# Altium PCB 4G_V4.1_5X4.PcbDoc (part 3 of 4)
Units mm, origin at the board's own origin, x right, y up, seen from the top; angles counter-clockwise.
Board outline 189.75 x 201.25 mm, 2 copper layers (Top Layer, Bottom Layer); 760 components, 0 nets, 5752 pads, 780 vias.
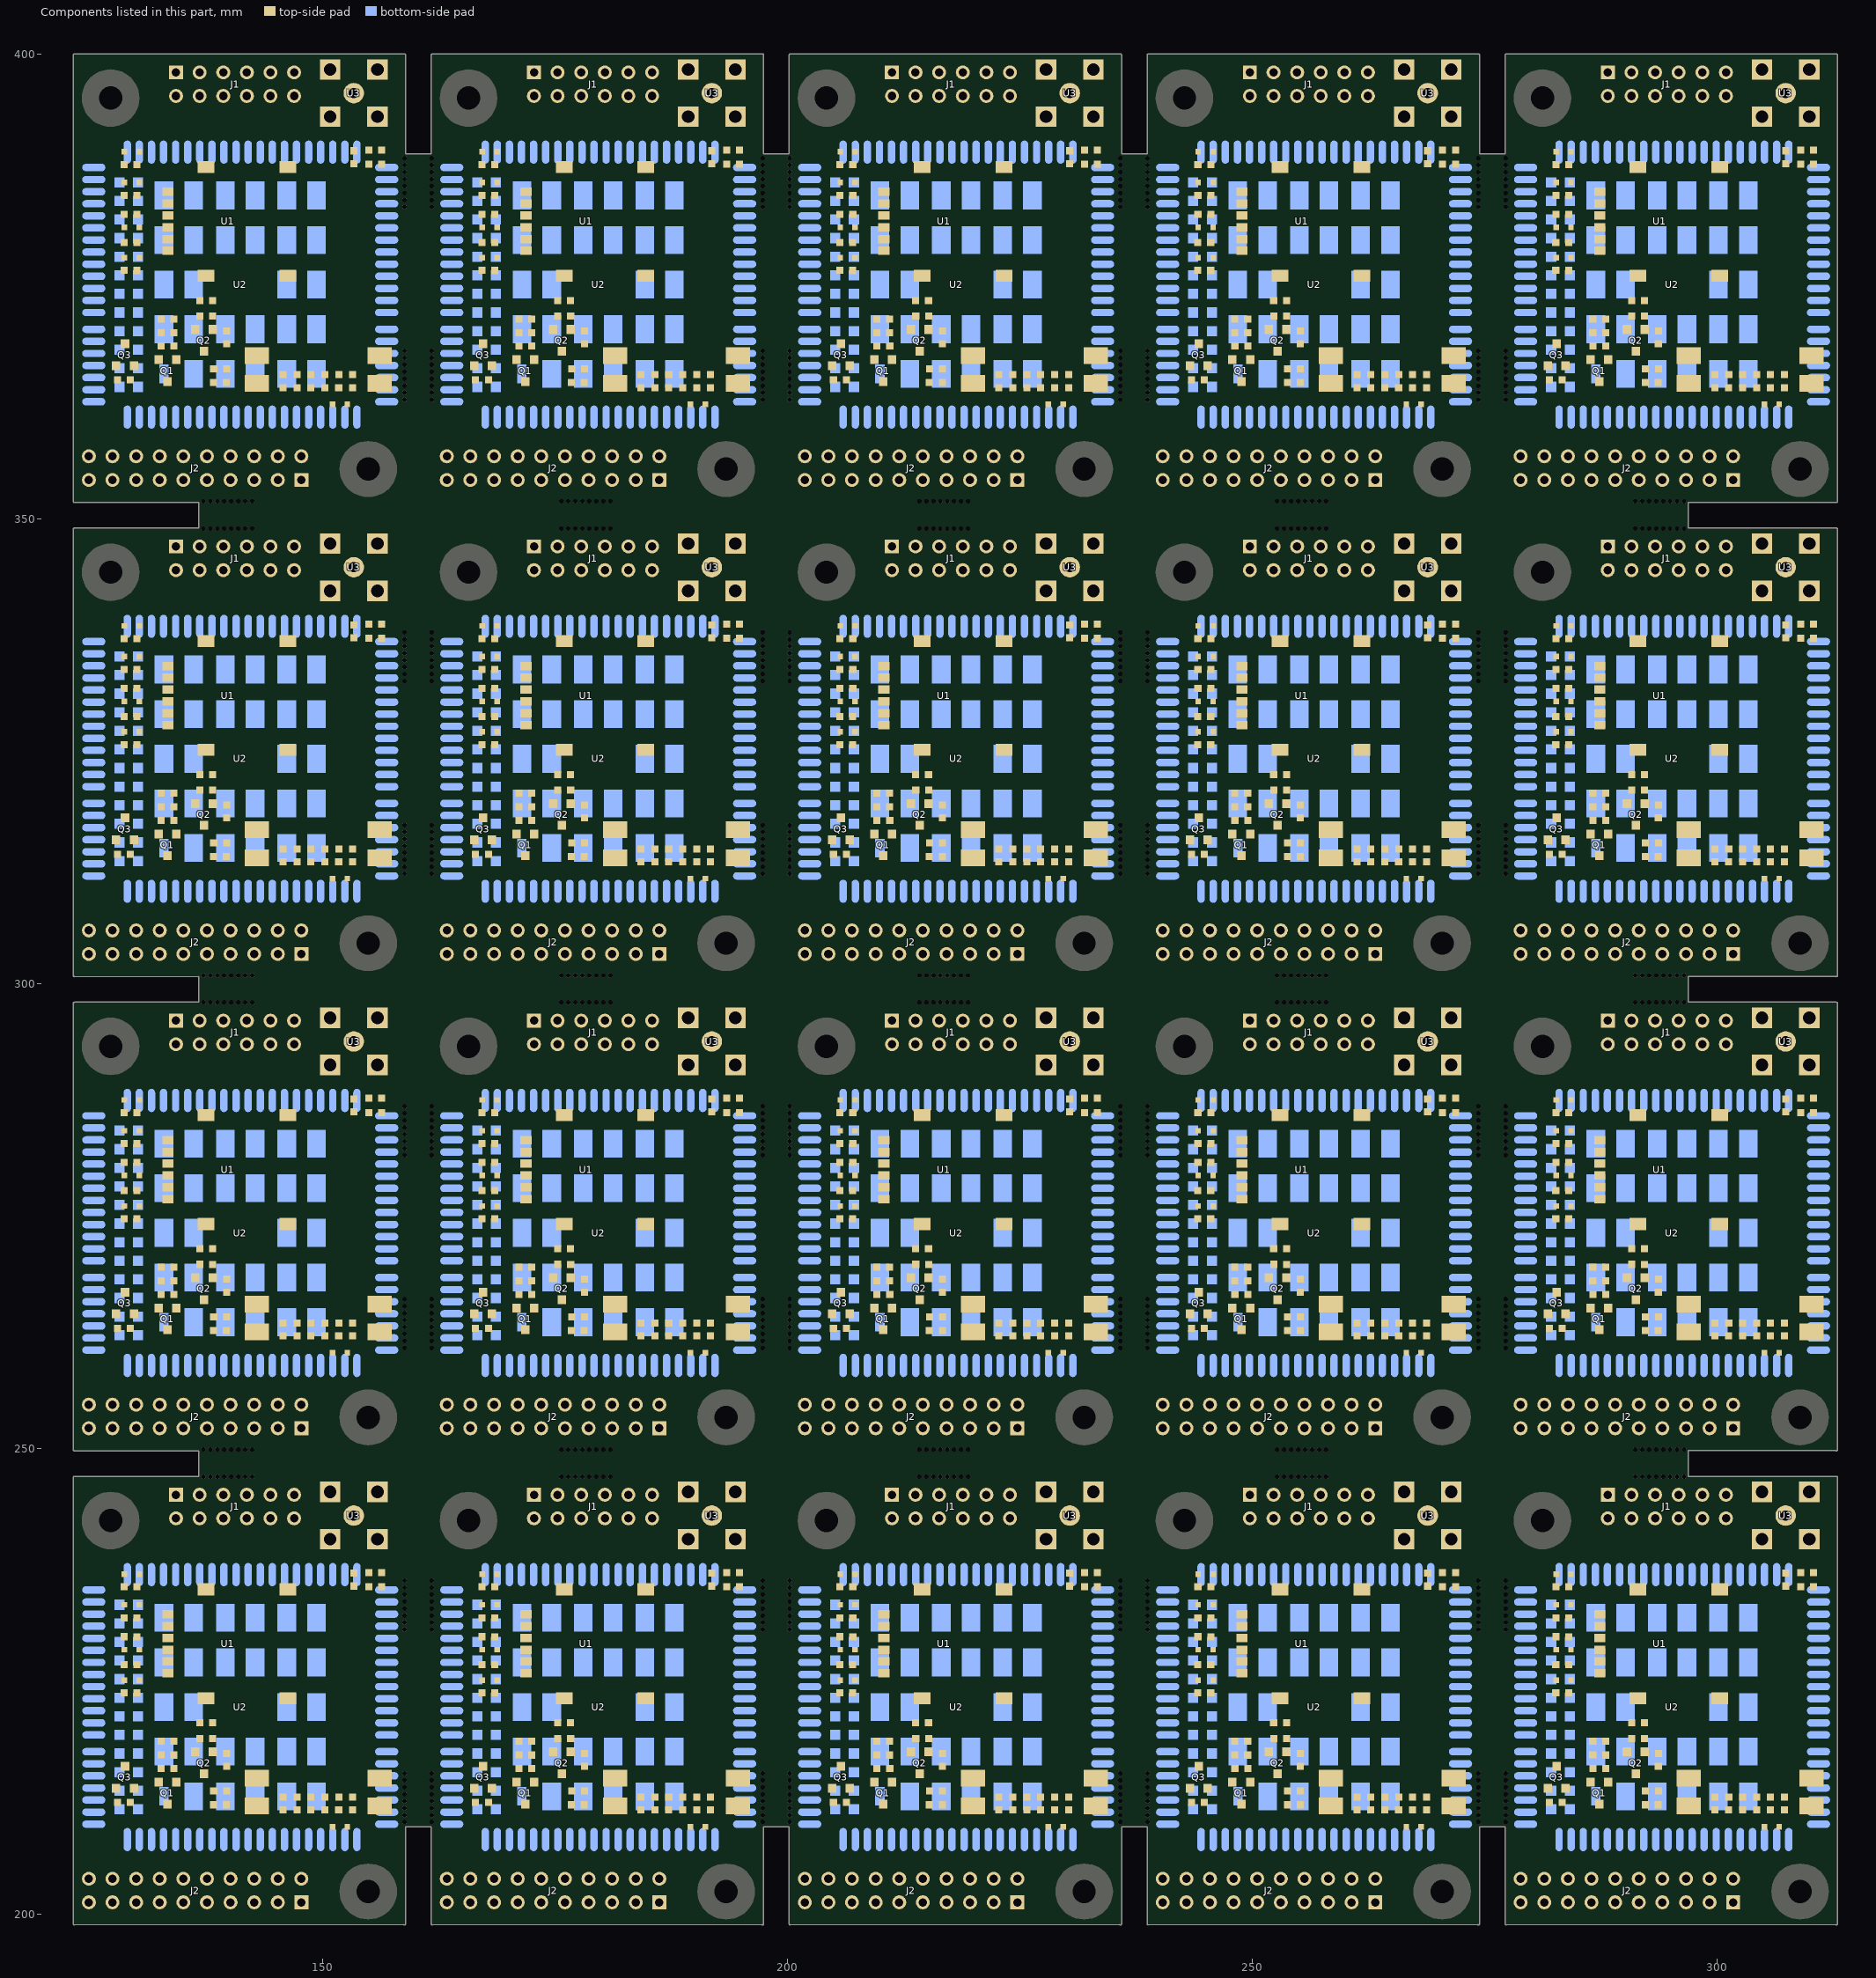
[diagram p3: the components of this part, seen from the top]

## Via types
v1: diameter 0.5, hole 0.3, Top Layer to Bottom Layer, tented both sides, 720 vias
v2: diameter 0.9, hole 0.7, Top Layer to Bottom Layer, tented both sides, 40 vias
v3: diameter 0.7, hole 0.5, Top Layer to Bottom Layer, tented both sides, 20 vias

## Nets (pads, with @x,y where several pads share a name; then routed paths per layer and width w, separated by ;. In a path a pad name is that pad's centre, name@x,y a point inside that pad or via, vN(x,y) a via of type N, cw(c..) or ccw(c..) an arc to the next point about the centre after c; other vN are vias at no path point) (continued)
copper on no net: | length 5721.7
  Top Layer w0.254: v1(126.924,229.016) 126.924,228.497 128.638,226.782 128.638,224.014 ; v1(126.924,280.016) 126.924,279.497 128.638,277.782 128.638,275.014 ; v1(126.924,331.016) 126.924,330.497 128.638,328.782 128.638,326.014 ; v1(126.924,382.016) 126.924,381.497 128.638,379.782 128.638,377.014 ; v1(126.975,224.952) 126.975,223.885 127.862,222.998 129.262,222.998 130.023,223.758 134.214,223.758 134.544,224.088 134.544,226.857 134.263,227.138 133.376,227.138 ; v1(126.975,275.952) 126.975,274.885 127.862,273.998 129.262,273.998 130.023,274.758 134.214,274.758 134.544,275.088 134.544,277.857 134.263,278.138 133.376,278.138 ; v1(126.975,326.952) 126.975,325.885 127.862,324.998 129.262,324.998 130.023,325.758 134.214,325.758 134.544,326.088 134.544,328.857 134.263,329.138 133.376,329.138 ; v1(126.975,377.952) 126.975,376.885 127.862,375.998 129.262,375.998 130.023,376.758 134.214,376.758 134.544,377.088 134.544,379.857 134.263,380.138 133.376,380.138 ; v1(127.025,230.311) 128.143,230.311 128.651,229.803 ; v1(127.025,281.311) 128.143,281.311 128.651,280.803 ; v1(127.025,332.311) 128.143,332.311 128.651,331.803 ; v1(127.025,383.311) 128.143,383.311 128.651,382.803 ; v1(127.043,232.234) 127.442,231.835 128.651,231.835 128.681,231.866 128.681,233.232 129.393,233.944 131.089,233.944 131.826,233.207 134.163,233.207 134.671,232.699 134.671,231.302 134.317,230.948 133.376,230.948 ; v1(127.043,283.234) 127.442,282.835 128.651,282.835 128.681,282.866 128.681,284.232 129.393,284.944 131.089,284.944 131.826,284.207 134.163,284.207 134.671,283.699 134.671,282.302 134.317,281.948 133.376,281.948 ; v1(127.043,334.234) 127.442,333.835 128.651,333.835 128.681,333.866 128.681,335.232 129.393,335.944 131.089,335.944 131.826,335.207 134.163,335.207 134.671,334.699 134.671,333.302 134.317,332.948 133.376,332.948 ; v1(127.043,385.234) 127.442,384.835 128.651,384.835 128.681,384.866 128.681,386.232 129.393,386.944 131.089,386.944 131.826,386.207 134.163,386.207 134.671,385.699 134.671,384.302 134.317,383.948 133.376,383.948 ; 127.406,201.228 127.406,203.768 129.337,205.699 129.337,211.973 ; 127.406,252.228 127.406,254.768 129.337,256.699 129.337,262.973 ; 127.406,303.228 127.406,305.768 129.337,307.699 129.337,313.973 ; 127.406,354.228 127.406,356.768 129.337,358.699 129.337,364.973 ; v1(127.508,234.655) 128.143,234.655 128.651,235.163 128.651,236.504 128.681,236.534 129.362,237.215 130.942,237.215 131.394,236.763 131.394,234.357 132.036,233.715 134.373,233.715 135.28,232.808 135.28,229.168 134.52,228.408 133.376,228.408 ; v1(127.508,285.655) 128.143,285.655 128.651,286.163 128.651,287.504 128.681,287.534 129.362,288.215 130.942,288.215 131.394,287.763 131.394,285.357 132.036,284.715 134.373,284.715 135.28,283.808 135.28,280.168 134.52,279.408 133.376,279.408 ; v1(127.508,336.655) 128.143,336.655 128.651,337.163 128.651,338.504 128.681,338.534 129.362,339.215 130.942,339.215 131.394,338.763 131.394,336.357 132.036,335.715 134.373,335.715 135.28,334.808 135.28,331.168 134.52,330.408 133.376,330.408 ; v1(127.508,387.655) 128.143,387.655 128.651,388.163 128.651,389.504 128.681,389.534 129.362,390.215 130.942,390.215 131.394,389.763 131.394,387.357 132.036,386.715 134.373,386.715 135.28,385.808 135.28,382.168 134.52,381.408 133.376,381.408 ; 127.803,213.515 127.803,212.124 127.953,211.974 ; 127.803,264.515 127.803,263.124 127.953,262.974 ; 127.803,315.515 127.803,314.124 127.953,313.974 ; 127.803,366.515 127.803,365.124 127.953,364.974 ; 128.651,231.531 128.681,231.561 ; 128.651,282.531 128.681,282.561 ; 128.651,333.531 128.681,333.561 ; 128.651,384.531 128.681,384.561 ; 128.662,225.868 133.376,225.868 ; 128.662,276.868 133.376,276.868 ; 128.662,327.868 133.376,327.868 ; 128.662,378.868 133.376,378.868 ; 128.753,215.865 126.638,215.865 125.425,217.078 125.425,220.355 126.619,221.548 133.375,221.548 136.271,224.444 136.271,233.283 134.788,234.766 v1(134.198,234.766) ; 128.753,266.865 126.638,266.865 125.425,268.078 125.425,271.355 126.619,272.548 133.375,272.548 136.271,275.444 136.271,284.283 134.788,285.766 v1(134.198,285.766) ; 128.753,317.865 126.638,317.865 125.425,319.078 125.425,322.355 126.619,323.548 133.375,323.548 136.271,326.444 136.271,335.283 134.788,336.766 v1(134.198,336.766) ; 128.753,368.865 126.638,368.865 125.425,370.078 125.425,373.355 126.619,374.548 133.375,374.548 136.271,377.444 136.271,386.283 134.788,387.766 v1(134.198,387.766) ; 130.023,226.781 129.362,227.441 129.362,227.726 128.681,228.406 128.651,228.437 128.651,229.803 ; 130.023,277.781 129.362,278.441 129.362,278.726 128.681,279.406 128.651,279.437 128.651,280.803 ; 130.023,328.781 129.362,329.441 129.362,329.726 128.681,330.406 128.651,330.437 128.651,331.803 ; 130.023,379.781 129.362,380.441 129.362,380.726 128.681,381.406 128.651,381.437 128.651,382.803 ; 130.035,231.529 130.281,231.775 130.281,232.928 ; 130.035,282.529 130.281,282.775 130.281,283.928 ; 130.035,333.529 130.281,333.775 130.281,334.928 ; 130.035,384.529 130.281,384.775 130.281,385.928 ; 132.364,214.157 131.47,213.263 131.47,204.784 132.486,203.768 132.486,201.228 ; 132.364,265.157 131.47,264.263 131.47,255.784 132.486,254.768 132.486,252.228 ; 132.364,316.157 131.47,315.263 131.47,306.784 132.486,305.768 132.486,303.228 ; 132.364,367.157 131.47,366.263 131.47,357.784 132.486,356.768 132.486,354.228 ; 133.376,232.218 133.146,231.988 132.461,231.988 131.14,230.667 129.515,230.667 128.651,229.803 ; 133.376,283.218 133.146,282.988 132.461,282.988 131.14,281.667 129.515,281.667 128.651,280.803 ; 133.376,334.218 133.146,333.988 132.461,333.988 131.14,332.667 129.515,332.667 128.651,331.803 ; 133.376,385.218 133.146,384.988 132.461,384.988 131.14,383.667 129.515,383.667 128.651,382.803 ; 134,217.071 134.013,217.059 134.013,215.622 134.013,214.409 134.264,214.157 ; 134,218.545 135.204,217.341 135.204,213.633 133.378,211.807 133.314,211.807 134.901,210.22 v1(135.636,210.22) ; 134,268.071 134.013,268.059 134.013,266.622 134.013,265.409 134.264,265.157 ; 134,269.545 135.204,268.341 135.204,264.633 133.378,262.807 133.314,262.807 134.901,261.22 v1(135.636,261.22) ; 134,319.071 134.013,319.059 134.013,317.622 134.013,316.409 134.264,316.157 ; 134,320.545 135.204,319.341 135.204,315.633 133.378,313.807 133.314,313.807 134.901,312.22 v1(135.636,312.22) ; 134,370.071 134.013,370.059 134.013,368.622 134.013,367.409 134.264,367.157 ; 134,371.545 135.204,370.341 135.204,366.633 133.378,364.807 133.314,364.807 134.901,363.22 v1(135.636,363.22) ; 137.236,215.065 137.236,210.601 v1(138.098,209.739) ; 137.236,266.065 137.236,261.601 v1(138.098,260.739) ; 137.236,317.065 137.236,312.601 v1(138.098,311.739) ; 137.236,368.065 137.236,363.601 v1(138.098,362.739) ; 137.566,201.228 137.566,203.768 136.286,205.049 136.286,217.415 137.487,216.214 138.633,216.214 139.675,217.256 ; 137.566,252.228 137.566,254.768 136.286,256.049 136.286,268.415 137.487,267.214 138.633,267.214 139.675,268.256 ; 137.566,303.228 137.566,305.768 136.286,307.049 136.286,319.415 137.487,318.214 138.633,318.214 139.675,319.256 ; 137.566,354.228 137.566,356.768 136.286,358.049 136.286,370.415 137.487,369.214 138.633,369.214 139.675,370.256 ; 138.176,220.532 138.186,220.522 138.186,217.415 ; 138.176,271.532 138.186,271.522 138.186,268.415 ; 138.176,322.532 138.186,322.522 138.186,319.415 ; 138.176,373.532 138.186,373.522 138.186,370.415 ; 138.265,211.72 138.29,211.746 138.29,213.193 ; 138.265,262.72 138.29,262.746 138.29,264.193 ; 138.265,313.72 138.29,313.746 138.29,315.193 ; 138.265,364.72 138.29,364.746 138.29,366.193 ; 139.649,211.719 141.605,209.763 v1(145.898,209.763) ; 139.649,262.719 141.605,260.763 v1(145.898,260.763) ; 139.649,313.719 141.605,311.763 v1(145.898,311.763) ; 139.649,364.719 141.605,362.763 v1(145.898,362.763) ; v1(165.424,229.016) 165.424,228.497 167.138,226.782 167.138,224.014 ; v1(165.424,280.016) 165.424,279.497 167.138,277.782 167.138,275.014 ; v1(165.424,331.016) 165.424,330.497 167.138,328.782 167.138,326.014 ; v1(165.424,382.016) 165.424,381.497 167.138,379.782 167.138,377.014 ; v1(165.475,224.952) 165.475,223.885 166.362,222.998 167.762,222.998 168.523,223.758 172.714,223.758 173.044,224.088 173.044,226.857 172.763,227.138 171.876,227.138 ; v1(165.475,275.952) 165.475,274.885 166.362,273.998 167.762,273.998 168.523,274.758 172.714,274.758 173.044,275.088 173.044,277.857 172.763,278.138 171.876,278.138 ; v1(165.475,326.952) 165.475,325.885 166.362,324.998 167.762,324.998 168.523,325.758 172.714,325.758 173.044,326.088 173.044,328.857 172.763,329.138 171.876,329.138 ; v1(165.475,377.952) 165.475,376.885 166.362,375.998 167.762,375.998 168.523,376.758 172.714,376.758 173.044,377.088 173.044,379.857 172.763,380.138 171.876,380.138 ; v1(165.525,230.311) 166.643,230.311 167.151,229.803 ; v1(165.525,281.311) 166.643,281.311 167.151,280.803 ; v1(165.525,332.311) 166.643,332.311 167.151,331.803 ; v1(165.525,383.311) 166.643,383.311 167.151,382.803 ; v1(165.543,232.234) 165.942,231.835 167.151,231.835 167.181,231.866 167.181,233.232 167.893,233.944 169.589,233.944 170.326,233.207 172.663,233.207 173.171,232.699 173.171,231.302 172.817,230.948 171.876,230.948 ; v1(165.543,283.234) 165.942,282.835 167.151,282.835 167.181,282.866 167.181,284.232 167.893,284.944 169.589,284.944 170.326,284.207 172.663,284.207 173.171,283.699 173.171,282.302 172.817,281.948 171.876,281.948 ; v1(165.543,334.234) 165.942,333.835 167.151,333.835 167.181,333.866 167.181,335.232 167.893,335.944 169.589,335.944 170.326,335.207 172.663,335.207 173.171,334.699 173.171,333.302 172.817,332.948 171.876,332.948 ; v1(165.543,385.234) 165.942,384.835 167.151,384.835 167.181,384.866 167.181,386.232 167.893,386.944 169.589,386.944 170.326,386.207 172.663,386.207 173.171,385.699 173.171,384.302 172.817,383.948 171.876,383.948 ; 165.906,201.228 165.906,203.768 167.837,205.699 167.837,211.973 ; 165.906,252.228 165.906,254.768 167.837,256.699 167.837,262.973 ; 165.906,303.228 165.906,305.768 167.837,307.699 167.837,313.973 ; 165.906,354.228 165.906,356.768 167.837,358.699 167.837,364.973 ; v1(166.008,234.655) 166.643,234.655 167.151,235.163 167.151,236.504 167.181,236.534 167.862,237.215 169.442,237.215 169.894,236.763 169.894,234.357 170.536,233.715 172.873,233.715 173.78,232.808 173.78,229.168 173.02,228.408 171.876,228.408 ; v1(166.008,285.655) 166.643,285.655 167.151,286.163 167.151,287.504 167.181,287.534 167.862,288.215 169.442,288.215 169.894,287.763 169.894,285.357 170.536,284.715 172.873,284.715 173.78,283.808 173.78,280.168 173.02,279.408 171.876,279.408 ; v1(166.008,336.655) 166.643,336.655 167.151,337.163 167.151,338.504 167.181,338.534 167.862,339.215 169.442,339.215 169.894,338.763 169.894,336.357 170.536,335.715 172.873,335.715 173.78,334.808 173.78,331.168 173.02,330.408 171.876,330.408 ; v1(166.008,387.655) 166.643,387.655 167.151,388.163 167.151,389.504 167.181,389.534 167.862,390.215 169.442,390.215 169.894,389.763 169.894,387.357 170.536,386.715 172.873,386.715 173.78,385.808 173.78,382.168 173.02,381.408 171.876,381.408 ; 166.303,213.515 166.303,212.124 166.452,211.974 ; 166.303,264.515 166.303,263.124 166.452,262.974 ; 166.303,315.515 166.303,314.124 166.452,313.974 ; 166.303,366.515 166.303,365.124 166.452,364.974 ; 167.151,231.531 167.181,231.561 ; 167.151,282.531 167.181,282.561 ; 167.151,333.531 167.181,333.561 ; 167.151,384.531 167.181,384.561 ; 167.162,225.868 171.876,225.868 ; 167.162,276.868 171.876,276.868 ; 167.162,327.868 171.876,327.868 ; 167.162,378.868 171.876,378.868 ; 167.253,215.865 165.138,215.865 163.925,217.078 163.925,220.355 165.119,221.548 171.875,221.548 174.771,224.444 174.771,233.283 173.288,234.766 v1(172.698,234.766) ; 167.253,266.865 165.138,266.865 163.925,268.078 163.925,271.355 165.119,272.548 171.875,272.548 174.771,275.444 174.771,284.283 173.288,285.766 v1(172.698,285.766) ; 167.253,317.865 165.138,317.865 163.925,319.078 163.925,322.355 165.119,323.548 171.875,323.548 174.771,326.444 174.771,335.283 173.288,336.766 v1(172.698,336.766) ; 167.253,368.865 165.138,368.865 163.925,370.078 163.925,373.355 165.119,374.548 171.875,374.548 174.771,377.444 174.771,386.283 173.288,387.766 v1(172.698,387.766) ; 168.523,226.781 167.862,227.441 167.862,227.726 167.181,228.406 167.151,228.437 167.151,229.803 ; 168.523,277.781 167.862,278.441 167.862,278.726 167.181,279.406 167.151,279.437 167.151,280.803 ; 168.523,328.781 167.862,329.441 167.862,329.726 167.181,330.406 167.151,330.437 167.151,331.803 ; 168.523,379.781 167.862,380.441 167.862,380.726 167.181,381.406 167.151,381.437 167.151,382.803 ; 168.535,231.529 168.781,231.775 168.781,232.928 ; 168.535,282.529 168.781,282.775 168.781,283.928 ; 168.535,333.529 168.781,333.775 168.781,334.928 ; 168.535,384.529 168.781,384.775 168.781,385.928 ; 170.864,214.157 169.97,213.263 169.97,204.784 170.986,203.768 170.986,201.228 ; 170.864,265.157 169.97,264.263 169.97,255.784 170.986,254.768 170.986,252.228 ; 170.864,316.157 169.97,315.263 169.97,306.784 170.986,305.768 170.986,303.228 ; 170.864,367.157 169.97,366.263 169.97,357.784 170.986,356.768 170.986,354.228 ; 171.876,232.218 171.646,231.988 170.961,231.988 169.64,230.667 168.015,230.667 167.151,229.803 ; 171.876,283.218 171.646,282.988 170.961,282.988 169.64,281.667 168.015,281.667 167.151,280.803 ; 171.876,334.218 171.646,333.988 170.961,333.988 169.64,332.667 168.015,332.667 167.151,331.803 ; 171.876,385.218 171.646,384.988 170.961,384.988 169.64,383.667 168.015,383.667 167.151,382.803 ; 172.5,217.071 172.513,217.059 172.513,215.622 172.513,214.409 172.764,214.157 ; 172.5,218.545 173.704,217.341 173.704,213.633 171.878,211.807 171.814,211.807 173.401,210.22 v1(174.136,210.22) ; 172.5,268.071 172.513,268.059 172.513,266.622 172.513,265.409 172.764,265.157 ; 172.5,269.545 173.704,268.341 173.704,264.633 171.878,262.807 171.814,262.807 173.401,261.22 v1(174.136,261.22) ; 172.5,319.071 172.513,319.059 172.513,317.622 172.513,316.409 172.764,316.157 ; 172.5,320.545 173.704,319.341 173.704,315.633 171.878,313.807 171.814,313.807 173.401,312.22 v1(174.136,312.22) ; 172.5,370.071 172.513,370.059 172.513,368.622 172.513,367.409 172.764,367.157 ; 172.5,371.545 173.704,370.341 173.704,366.633 171.878,364.807 171.814,364.807 173.401,363.22 v1(174.136,363.22) ; 175.736,215.065 175.736,210.601 v1(176.598,209.739) ; 175.736,266.065 175.736,261.601 v1(176.598,260.739) ; 175.736,317.065 175.736,312.601 v1(176.598,311.739) ; 175.736,368.065 175.736,363.601 v1(176.598,362.739) ; 176.066,201.228 176.066,203.768 174.786,205.049 174.786,217.415 175.987,216.214 177.133,216.214 178.175,217.256 ; 176.066,252.228 176.066,254.768 174.786,256.049 174.786,268.415 175.987,267.214 177.133,267.214 178.175,268.256 ; 176.066,303.228 176.066,305.768 174.786,307.049 174.786,319.415 175.987,318.214 177.133,318.214 178.175,319.256 ; 176.066,354.228 176.066,356.768 174.786,358.049 174.786,370.415 175.987,369.214 177.133,369.214 178.175,370.256 ; 176.676,220.532 176.686,220.522 176.686,217.415 ; 176.676,271.532 176.686,271.522 176.686,268.415 ; 176.676,322.532 176.686,322.522 176.686,319.415 ; 176.676,373.532 176.686,373.522 176.686,370.415 ; 176.765,211.72 176.79,211.746 176.79,213.193 ; 176.765,262.72 176.79,262.746 176.79,264.193 ; 176.765,313.72 176.79,313.746 176.79,315.193 ; 176.765,364.72 176.79,364.746 176.79,366.193 ; 178.149,211.719 180.105,209.763 v1(184.398,209.763) ; 178.149,262.719 180.105,260.763 v1(184.398,260.763) ; 178.149,313.719 180.105,311.763 v1(184.398,311.763) ; 178.149,364.719 180.105,362.763 v1(184.398,362.763) ; v1(203.924,229.016) 203.924,228.497 205.638,226.782 205.638,224.014 ; v1(203.924,280.016) 203.924,279.497 205.638,277.782 205.638,275.014 ; v1(203.924,331.016) 203.924,330.497 205.638,328.782 205.638,326.014 ; v1(203.924,382.016) 203.924,381.497 205.638,379.782 205.638,377.014 ; v1(203.975,224.952) 203.975,223.885 204.862,222.998 206.262,222.998 207.023,223.758 211.214,223.758 211.544,224.088 211.544,226.857 211.263,227.138 210.376,227.138 ; v1(203.975,275.952) 203.975,274.885 204.862,273.998 206.262,273.998 207.023,274.758 211.214,274.758 211.544,275.088 211.544,277.857 211.263,278.138 210.376,278.138 ; v1(203.975,326.952) 203.975,325.885 204.862,324.998 206.262,324.998 207.023,325.758 211.214,325.758 211.544,326.088 211.544,328.857 211.263,329.138 210.376,329.138 ; v1(203.975,377.952) 203.975,376.885 204.862,375.998 206.262,375.998 207.023,376.758 211.214,376.758 211.544,377.088 211.544,379.857 211.263,380.138 210.376,380.138 ; v1(204.025,230.311) 205.143,230.311 205.651,229.803 ; v1(204.025,281.311) 205.143,281.311 205.651,280.803 ; v1(204.025,332.311) 205.143,332.311 205.651,331.803 ; v1(204.025,383.311) 205.143,383.311 205.651,382.803 ; v1(204.043,232.234) 204.442,231.835 205.651,231.835 205.681,231.866 205.681,233.232 206.393,233.944 208.089,233.944 208.826,233.207 211.163,233.207 211.671,232.699 211.671,231.302 211.317,230.948 210.376,230.948 ; v1(204.043,283.234) 204.442,282.835 205.651,282.835 205.681,282.866 205.681,284.232 206.393,284.944 208.089,284.944 208.826,284.207 211.163,284.207 211.671,283.699 211.671,282.302 211.317,281.948 210.376,281.948 ; v1(204.043,334.234) 204.442,333.835 205.651,333.835 205.681,333.866 205.681,335.232 206.393,335.944 208.089,335.944 208.826,335.207 211.163,335.207 211.671,334.699 211.671,333.302 211.317,332.948 210.376,332.948 ; v1(204.043,385.234) 204.442,384.835 205.651,384.835 205.681,384.866 205.681,386.232 206.393,386.944 208.089,386.944 208.826,386.207 211.163,386.207 211.671,385.699 211.671,384.302 211.317,383.948 210.376,383.948 ; 204.406,201.228 204.406,203.768 206.337,205.699 206.337,211.973 ; 204.406,252.228 204.406,254.768 206.337,256.699 206.337,262.973 ; 204.406,303.228 204.406,305.768 206.337,307.699 206.337,313.973 ; 204.406,354.228 204.406,356.768 206.337,358.699 206.337,364.973 ; v1(204.508,234.655) 205.143,234.655 205.651,235.163 205.651,236.504 205.681,236.534 206.362,237.215 207.942,237.215 208.394,236.763 208.394,234.357 209.036,233.715 211.373,233.715 212.28,232.808 212.28,229.168 211.52,228.408 210.376,228.408 ; v1(204.508,285.655) 205.143,285.655 205.651,286.163 205.651,287.504 205.681,287.534 206.362,288.215 207.942,288.215 208.394,287.763 208.394,285.357 209.036,284.715 211.373,284.715 212.28,283.808 212.28,280.168 211.52,279.408 210.376,279.408 ; v1(204.508,336.655) 205.143,336.655 205.651,337.163 205.651,338.504 205.681,338.534 206.362,339.215 207.942,339.215 208.394,338.763 208.394,336.357 209.036,335.715 211.373,335.715 212.28,334.808 212.28,331.168 211.52,330.408 210.376,330.408 ; v1(204.508,387.655) 205.143,387.655 205.651,388.163 205.651,389.504 205.681,389.534 206.362,390.215 207.942,390.215 208.394,389.763 208.394,387.357 209.036,386.715 211.373,386.715 212.28,385.808 212.28,382.168 211.52,381.408 210.376,381.408 ; 204.803,213.515 204.803,212.124 204.952,211.974 ; 204.803,264.515 204.803,263.124 204.952,262.974 ; 204.803,315.515 204.803,314.124 204.952,313.974 ; 204.803,366.515 204.803,365.124 204.952,364.974 ; 205.651,231.531 205.681,231.561 ; 205.651,282.531 205.681,282.561 ; 205.651,333.531 205.681,333.561 ; 205.651,384.531 205.681,384.561 ; 205.662,225.868 210.376,225.868 ; 205.662,276.868 210.376,276.868 ; 205.662,327.868 210.376,327.868 ; 205.662,378.868 210.376,378.868 ; 205.753,215.865 203.638,215.865 202.425,217.078 202.425,220.355 203.619,221.548 210.375,221.548 213.271,224.444 213.271,233.283 211.788,234.766 v1(211.198,234.766) ; 205.753,266.865 203.638,266.865 202.425,268.078 202.425,271.355 203.619,272.548 210.375,272.548 213.271,275.444 213.271,284.283 211.788,285.766 v1(211.198,285.766) ; 205.753,317.865 203.638,317.865 202.425,319.078 202.425,322.355 203.619,323.548 210.375,323.548 213.271,326.444 213.271,335.283 211.788,336.766 v1(211.198,336.766) ; 205.753,368.865 203.638,368.865 202.425,370.078 202.425,373.355 203.619,374.548 210.375,374.548 213.271,377.444 213.271,386.283 211.788,387.766 v1(211.198,387.766) ; 207.023,226.781 206.362,227.441 206.362,227.726 205.681,228.406 205.651,228.437 205.651,229.803 ; 207.023,277.781 206.362,278.441 206.362,278.726 205.681,279.406 205.651,279.437 205.651,280.803 ; 207.023,328.781 206.362,329.441 206.362,329.726 205.681,330.406 205.651,330.437 205.651,331.803 ; 207.023,379.781 206.362,380.441 206.362,380.726 205.681,381.406 205.651,381.437 205.651,382.803 ; 207.035,231.529 207.281,231.775 207.281,232.928 ; 207.035,282.529 207.281,282.775 207.281,283.928 ; 207.035,333.529 207.281,333.775 207.281,334.928 ; 207.035,384.529 207.281,384.775 207.281,385.928 ; 209.364,214.157 208.47,213.263 208.47,204.784 209.486,203.768 209.486,201.228 ; 209.364,265.157 208.47,264.263 208.47,255.784 209.486,254.768 209.486,252.228 ; 209.364,316.157 208.47,315.263 208.47,306.784 209.486,305.768 209.486,303.228 ; 209.364,367.157 208.47,366.263 208.47,357.784 209.486,356.768 209.486,354.228 ; 210.376,232.218 210.146,231.988 209.461,231.988 208.14,230.667 206.515,230.667 205.651,229.803 ; 210.376,283.218 210.146,282.988 209.461,282.988 208.14,281.667 206.515,281.667 205.651,280.803 ; 210.376,334.218 210.146,333.988 209.461,333.988 208.14,332.667 206.515,332.667 205.651,331.803 ; 210.376,385.218 210.146,384.988 209.461,384.988 208.14,383.667 206.515,383.667 205.651,382.803 ; 211,217.071 211.013,217.059 211.013,215.622 211.013,214.409 211.264,214.157 ; 211,218.545 212.204,217.341 212.204,213.633 210.378,211.807 210.314,211.807 211.901,210.22 v1(212.636,210.22) ; 211,268.071 211.013,268.059 211.013,266.622 211.013,265.409 211.264,265.157 ; 211,269.545 212.204,268.341 212.204,264.633 210.378,262.807 210.314,262.807 211.901,261.22 v1(212.636,261.22) ; 211,319.071 211.013,319.059 211.013,317.622 211.013,316.409 211.264,316.157 ; 211,320.545 212.204,319.341 212.204,315.633 210.378,313.807 210.314,313.807 211.901,312.22 v1(212.636,312.22) ; 211,370.071 211.013,370.059 211.013,368.622 211.013,367.409 211.264,367.157 ; 211,371.545 212.204,370.341 212.204,366.633 210.378,364.807 210.314,364.807 211.901,363.22 v1(212.636,363.22) ; 214.236,215.065 214.236,210.601 v1(215.098,209.739) ; 214.236,266.065 214.236,261.601 v1(215.098,260.739) ; 214.236,317.065 214.236,312.601 v1(215.098,311.739) ; 214.236,368.065 214.236,363.601 v1(215.098,362.739) ; 214.566,201.228 214.566,203.768 213.286,205.049 213.286,217.415 214.487,216.214 215.633,216.214 216.675,217.256 ; 214.566,252.228 214.566,254.768 213.286,256.049 213.286,268.415 214.487,267.214 215.633,267.214 216.675,268.256 ; 214.566,303.228 214.566,305.768 213.286,307.049 213.286,319.415 214.487,318.214 215.633,318.214 216.675,319.256 ; 214.566,354.228 214.566,356.768 213.286,358.049 213.286,370.415 214.487,369.214 215.633,369.214 216.675,370.256 ; 215.176,220.532 215.186,220.522 215.186,217.415 ; 215.176,271.532 215.186,271.522 215.186,268.415 ; 215.176,322.532 215.186,322.522 215.186,319.415 ; 215.176,373.532 215.186,373.522 215.186,370.415 ; 215.265,211.72 215.29,211.746 215.29,213.193 ; 215.265,262.72 215.29,262.746 215.29,264.193 ; 215.265,313.72 215.29,313.746 215.29,315.193 ; 215.265,364.72 215.29,364.746 215.29,366.193 ; 216.649,211.719 218.605,209.763 v1(222.898,209.763) ; 216.649,262.719 218.605,260.763 v1(222.898,260.763) ; 216.649,313.719 218.605,311.763 v1(222.898,311.763) ; 216.649,364.719 218.605,362.763 v1(222.898,362.763) ; v1(242.424,229.016) 242.424,228.497 244.138,226.782 244.138,224.014 ; v1(242.424,280.016) 242.424,279.497 244.138,277.782 244.138,275.014 ; v1(242.424,331.016) 242.424,330.497 244.138,328.782 244.138,326.014 ; v1(242.424,382.016) 242.424,381.497 244.138,379.782 244.138,377.014 ; v1(242.475,224.952) 242.475,223.885 243.362,222.998 244.762,222.998 245.523,223.758 249.714,223.758 250.044,224.088 250.044,226.857 249.763,227.138 248.876,227.138 ; v1(242.475,275.952) 242.475,274.885 243.362,273.998 244.762,273.998 245.523,274.758 249.714,274.758 250.044,275.088 250.044,277.857 249.763,278.138 248.876,278.138 ; v1(242.475,326.952) 242.475,325.885 243.362,324.998 244.762,324.998 245.523,325.758 249.714,325.758 250.044,326.088 250.044,328.857 249.763,329.138 248.876,329.138 ; v1(242.475,377.952) 242.475,376.885 243.362,375.998 244.762,375.998 245.523,376.758 249.714,376.758 250.044,377.088 250.044,379.857 249.763,380.138 248.876,380.138 ; v1(242.525,230.311) 243.643,230.311 244.151,229.803 ; v1(242.525,281.311) 243.643,281.311 244.151,280.803 ; v1(242.525,332.311) 243.643,332.311 244.151,331.803 ; v1(242.525,383.311) 243.643,383.311 244.151,382.803 ; v1(242.543,232.234) 242.942,231.835 244.151,231.835 244.181,231.866 244.181,233.232 244.893,233.944 246.589,233.944 247.326,233.207 249.663,233.207 250.171,232.699 250.171,231.302 249.817,230.948 248.876,230.948 ; v1(242.543,283.234) 242.942,282.835 244.151,282.835 244.181,282.866 244.181,284.232 244.893,284.944 246.589,284.944 247.326,284.207 249.663,284.207 250.171,283.699 250.171,282.302 249.817,281.948 248.876,281.948 ; v1(242.543,334.234) 242.942,333.835 244.151,333.835 244.181,333.866 244.181,335.232 244.893,335.944 246.589,335.944 247.326,335.207 249.663,335.207 250.171,334.699 250.171,333.302 249.817,332.948 248.876,332.948 ; v1(242.543,385.234) 242.942,384.835 244.151,384.835 244.181,384.866 244.181,386.232 244.893,386.944 246.589,386.944 247.326,386.207 249.663,386.207 250.171,385.699 250.171,384.302 249.817,383.948 248.876,383.948 ; 242.906,201.228 242.906,203.768 244.837,205.699 244.837,211.973 ; 242.906,252.228 242.906,254.768 244.837,256.699 244.837,262.973 ; 242.906,303.228 242.906,305.768 244.837,307.699 244.837,313.973 ; 242.906,354.228 242.906,356.768 244.837,358.699 244.837,364.973 ; v1(243.008,234.655) 243.643,234.655 244.151,235.163 244.151,236.504 244.181,236.534 244.862,237.215 246.442,237.215 246.894,236.763 246.894,234.357 247.536,233.715 249.873,233.715 250.78,232.808 250.78,229.168 250.02,228.408 248.876,228.408 ; v1(243.008,285.655) 243.643,285.655 244.151,286.163 244.151,287.504 244.181,287.534 244.862,288.215 246.442,288.215 246.894,287.763 246.894,285.357 247.536,284.715 249.873,284.715 250.78,283.808 250.78,280.168 250.02,279.408 248.876,279.408 ; v1(243.008,336.655) 243.643,336.655 244.151,337.163 244.151,338.504 244.181,338.534 244.862,339.215 246.442,339.215 246.894,338.763 246.894,336.357 247.536,335.715 249.873,335.715 250.78,334.808 250.78,331.168 250.02,330.408 248.876,330.408 ; v1(243.008,387.655) 243.643,387.655 244.151,388.163 244.151,389.504 244.181,389.534 244.862,390.215 246.442,390.215 246.894,389.763 246.894,387.357 247.536,386.715 249.873,386.715 250.78,385.808 250.78,382.168 250.02,381.408 248.876,381.408 ; 243.303,213.515 243.303,212.124 243.452,211.974 ; 243.303,264.515 243.303,263.124 243.452,262.974 ; 243.303,315.515 243.303,314.124 243.452,313.974 ; 243.303,366.515 243.303,365.124 243.452,364.974 ; 244.151,231.531 244.181,231.561 ; 244.151,282.531 244.181,282.561 ; 244.151,333.531 244.181,333.561 ; 244.151,384.531 244.181,384.561 ; 244.162,225.868 248.876,225.868 ; 244.162,276.868 248.876,276.868 ; 244.162,327.868 248.876,327.868 ; 244.162,378.868 248.876,378.868 ; 244.253,215.865 242.138,215.865 240.925,217.078 240.925,220.355 242.119,221.548 248.875,221.548 251.771,224.444 251.771,233.283 250.288,234.766 v1(249.698,234.766) ; 244.253,266.865 242.138,266.865 240.925,268.078 240.925,271.355 242.119,272.548 248.875,272.548 251.771,275.444 251.771,284.283 250.288,285.766 v1(249.698,285.766) ; 244.253,317.865 242.138,317.865 240.925,319.078 240.925,322.355 242.119,323.548 248.875,323.548 251.771,326.444 251.771,335.283 250.288,336.766 v1(249.698,336.766) ; 244.253,368.865 242.138,368.865 240.925,370.078 240.925,373.355 242.119,374.548 248.875,374.548 251.771,377.444 251.771,386.283 250.288,387.766 v1(249.698,387.766) ; 245.523,226.781 244.862,227.441 244.862,227.726 244.181,228.406 244.151,228.437 244.151,229.803 ; 245.523,277.781 244.862,278.441 244.862,278.726 244.181,279.406 244.151,279.437 244.151,280.803 ; 245.523,328.781 244.862,329.441 244.862,329.726 244.181,330.406 244.151,330.437 244.151,331.803 ; 245.523,379.781 244.862,380.441 244.862,380.726 244.181,381.406 244.151,381.437 244.151,382.803 ; 245.535,231.529 245.781,231.775 245.781,232.928 ; 245.535,282.529 245.781,282.775 245.781,283.928 ; 245.535,333.529 245.781,333.775 245.781,334.928 ; 245.535,384.529 245.781,384.775 245.781,385.928 ; 247.864,214.157 246.97,213.263 246.97,204.784 247.986,203.768 247.986,201.228 ; 247.864,265.157 246.97,264.263 246.97,255.784 247.986,254.768 247.986,252.228 ; 247.864,316.157 246.97,315.263 246.97,306.784 247.986,305.768 247.986,303.228 ; 247.864,367.157 246.97,366.263 246.97,357.784 247.986,356.768 247.986,354.228 ; 248.876,232.218 248.646,231.988 247.961,231.988 246.64,230.667 245.015,230.667 244.151,229.803 ; 248.876,283.218 248.646,282.988 247.961,282.988 246.64,281.667 245.015,281.667 244.151,280.803 ; 248.876,334.218 248.646,333.988 247.961,333.988 246.64,332.667 245.015,332.667 244.151,331.803 ; 248.876,385.218 248.646,384.988 247.961,384.988 246.64,383.667 245.015,383.667 244.151,382.803 ; 249.5,217.071 249.513,217.059 249.513,215.622 249.513,214.409 249.764,214.157 ; 249.5,218.545 250.704,217.341 250.704,213.633 248.878,211.807 248.814,211.807 250.401,210.22 v1(251.136,210.22) ; 249.5,268.071 249.513,268.059 249.513,266.622 249.513,265.409 249.764,265.157 ; 249.5,269.545 250.704,268.341 250.704,264.633 248.878,262.807 248.814,262.807 250.401,261.22 v1(251.136,261.22) ; 249.5,319.071 249.513,319.059 249.513,317.622 249.513,316.409 249.764,316.157 ; 249.5,320.545 250.704,319.341 250.704,315.633 248.878,313.807 248.814,313.807 250.401,312.22 v1(251.136,312.22) ; 249.5,370.071 249.513,370.059 249.513,368.622 249.513,367.409 249.764,367.157 ; 249.5,371.545 250.704,370.341 250.704,366.633 248.878,364.807 248.814,364.807 250.401,363.22 v1(251.136,363.22) ; 252.736,215.065 252.736,210.601 v1(253.598,209.739) ; 252.736,266.065 252.736,261.601 v1(253.598,260.739) ; 252.736,317.065 252.736,312.601 v1(253.598,311.739) ; 252.736,368.065 252.736,363.601 v1(253.598,362.739) ; 253.066,201.228 253.066,203.768 251.786,205.049 251.786,217.415 252.987,216.214 254.133,216.214 255.175,217.256 ; 253.066,252.228 253.066,254.768 251.786,256.049 251.786,268.415 252.987,267.214 254.133,267.214 255.175,268.256 ; 253.066,303.228 253.066,305.768 251.786,307.049 251.786,319.415 252.987,318.214 254.133,318.214 255.175,319.256 ; 253.066,354.228 253.066,356.768 251.786,358.049 251.786,370.415 252.987,369.214 254.133,369.214 255.175,370.256 ; 253.676,220.532 253.686,220.522 253.686,217.415 ; 253.676,271.532 253.686,271.522 253.686,268.415 ; 253.676,322.532 253.686,322.522 253.686,319.415 ; 253.676,373.532 253.686,373.522 253.686,370.415 ; 253.765,211.72 253.79,211.746 253.79,213.193 ; 253.765,262.72 253.79,262.746 253.79,264.193 ; 253.765,313.72 253.79,313.746 253.79,315.193 ; 253.765,364.72 253.79,364.746 253.79,366.193 ; 255.149,211.719 257.105,209.763 v1(261.398,209.763) ; 255.149,262.719 257.105,260.763 v1(261.398,260.763) ; 255.149,313.719 257.105,311.763 v1(261.398,311.763) ; 255.149,364.719 257.105,362.763 v1(261.398,362.763) ; v1(280.924,229.016) 280.924,228.497 282.638,226.782 282.638,224.014 ; v1(280.924,280.016) 280.924,279.497 282.638,277.782 282.638,275.014 ; v1(280.924,331.016) 280.924,330.497 282.638,328.782 282.638,326.014 ; v1(280.924,382.016) 280.924,381.497 282.638,379.782 282.638,377.014 ; v1(280.975,224.952) 280.975,223.885 281.862,222.998 283.262,222.998 284.023,223.758 288.214,223.758 288.544,224.088 288.544,226.857 288.263,227.138 287.376,227.138 ; v1(280.975,275.952) 280.975,274.885 281.862,273.998 283.262,273.998 284.023,274.758 288.214,274.758 288.544,275.088 288.544,277.857 288.263,278.138 287.376,278.138 ; v1(280.975,326.952) 280.975,325.885 281.862,324.998 283.262,324.998 284.023,325.758 288.214,325.758 288.544,326.088 288.544,328.857 288.263,329.138 287.376,329.138 ; v1(280.975,377.952) 280.975,376.885 281.862,375.998 283.262,375.998 284.023,376.758 288.214,376.758 288.544,377.088 288.544,379.857 288.263,380.138 287.376,380.138 ; v1(281.025,230.311) 282.143,230.311 282.651,229.803 ; v1(281.025,281.311) 282.143,281.311 282.651,280.803 ; v1(281.025,332.311) 282.143,332.311 282.651,331.803 ; v1(281.025,383.311) 282.143,383.311 282.651,382.803 ; v1(281.043,232.234) 281.442,231.835 282.651,231.835 282.681,231.866 282.681,233.232 283.393,233.944 285.089,233.944 285.826,233.207 288.163,233.207 288.671,232.699 288.671,231.302 288.317,230.948 287.376,230.948 ; v1(281.043,283.234) 281.442,282.835 282.651,282.835 282.681,282.866 282.681,284.232 283.393,284.944 285.089,284.944 285.826,284.207 288.163,284.207 288.671,283.699 288.671,282.302 288.317,281.948 287.376,281.948 ; v1(281.043,334.234) 281.442,333.835 282.651,333.835 282.681,333.866 282.681,335.232 283.393,335.944 285.089,335.944 285.826,335.207 288.163,335.207 288.671,334.699 288.671,333.302 288.317,332.948 287.376,332.948 ; v1(281.043,385.234) 281.442,384.835 282.651,384.835 282.681,384.866 282.681,386.232 283.393,386.944 285.089,386.944 285.826,386.207 288.163,386.207 288.671,385.699 288.671,384.302 288.317,383.948 287.376,383.948 ; 281.406,201.228 281.406,203.768 283.337,205.699 283.337,211.973 ; 281.406,252.228 281.406,254.768 283.337,256.699 283.337,262.973 ; 281.406,303.228 281.406,305.768 283.337,307.699 283.337,313.973 ; 281.406,354.228 281.406,356.768 283.337,358.699 283.337,364.973 ; v1(281.508,234.655) 282.143,234.655 282.651,235.163 282.651,236.504 282.681,236.534 283.362,237.215 284.942,237.215 285.394,236.763 285.394,234.357 286.036,233.715 288.373,233.715 289.28,232.808 289.28,229.168 288.52,228.408 287.376,228.408 ; v1(281.508,285.655) 282.143,285.655 282.651,286.163 282.651,287.504 282.681,287.534 283.362,288.215 284.942,288.215 285.394,287.763 285.394,285.357 286.036,284.715 288.373,284.715 289.28,283.808 289.28,280.168 288.52,279.408 287.376,279.408 ; v1(281.508,336.655) 282.143,336.655 282.651,337.163 282.651,338.504 282.681,338.534 283.362,339.215 284.942,339.215 285.394,338.763 285.394,336.357 286.036,335.715 288.373,335.715 289.28,334.808 289.28,331.168 288.52,330.408 287.376,330.408 ; v1(281.508,387.655) 282.143,387.655 282.651,388.163 282.651,389.504 282.681,389.534 283.362,390.215 284.942,390.215 285.394,389.763 285.394,387.357 286.036,386.715 288.373,386.715 289.28,385.808 289.28,382.168 288.52,381.408 287.376,381.408 ; 281.803,213.515 281.803,212.124 281.952,211.974 ; 281.803,264.515 281.803,263.124 281.952,262.974 ; 281.803,315.515 281.803,314.124 281.952,313.974 ; 281.803,366.515 281.803,365.124 281.952,364.974 ; 282.651,231.531 282.681,231.561 ; 282.651,282.531 282.681,282.561 ; 282.651,333.531 282.681,333.561 ; 282.651,384.531 282.681,384.561 ; 282.662,225.868 287.376,225.868 ; 282.662,276.868 287.376,276.868 ; 282.662,327.868 287.376,327.868 ; 282.662,378.868 287.376,378.868 ; 282.753,215.865 280.638,215.865 279.425,217.078 279.425,220.355 280.619,221.548 287.375,221.548 290.271,224.444 290.271,233.283 288.788,234.766 v1(288.198,234.766) ; 282.753,266.865 280.638,266.865 279.425,268.078 279.425,271.355 280.619,272.548 287.375,272.548 290.271,275.444 290.271,284.283 288.788,285.766 v1(288.198,285.766) ; 282.753,317.865 280.638,317.865 279.425,319.078 279.425,322.355 280.619,323.548 287.375,323.548 290.271,326.444 290.271,335.283 288.788,336.766 v1(288.198,336.766) ; 282.753,368.865 280.638,368.865 279.425,370.078 279.425,373.355 280.619,374.548 287.375,374.548 290.271,377.444 290.271,386.283 288.788,387.766 v1(288.198,387.766) ; 284.023,226.781 283.362,227.441 283.362,227.726 282.681,228.406 282.651,228.437 282.651,229.803 ; 284.023,277.781 283.362,278.441 283.362,278.726 282.681,279.406 282.651,279.437 282.651,280.803 ; 284.023,328.781 283.362,329.441 283.362,329.726 282.681,330.406 282.651,330.437 282.651,331.803 ; 284.023,379.781 283.362,380.441 283.362,380.726 282.681,381.406 282.651,381.437 282.651,382.803 ; 284.035,231.529 284.281,231.775 284.281,232.928 ; 284.035,282.529 284.281,282.775 284.281,283.928 ; 284.035,333.529 284.281,333.775 284.281,334.928 ; 284.035,384.529 284.281,384.775 284.281,385.928 ; 286.364,214.157 285.47,213.263 285.47,204.784 286.486,203.768 286.486,201.228 ; 286.364,265.157 285.47,264.263 285.47,255.784 286.486,254.768 286.486,252.228 ; 286.364,316.157 285.47,315.263 285.47,306.784 286.486,305.768 286.486,303.228 ; 286.364,367.157 285.47,366.263 285.47,357.784 286.486,356.768 286.486,354.228 ; 287.376,232.218 287.146,231.988 286.461,231.988 285.14,230.667 283.515,230.667 282.651,229.803 ; 287.376,283.218 287.146,282.988 286.461,282.988 285.14,281.667 283.515,281.667 282.651,280.803 ; 287.376,334.218 287.146,333.988 286.461,333.988 285.14,332.667 283.515,332.667 282.651,331.803 ; 287.376,385.218 287.146,384.988 286.461,384.988 285.14,383.667 283.515,383.667 282.651,382.803 ; 288,217.071 288.013,217.059 288.013,215.622 288.013,214.409 288.264,214.157 ; 288,218.545 289.204,217.341 289.204,213.633 287.378,211.807 287.314,211.807 288.901,210.22 v1(289.636,210.22) ; 288,268.071 288.013,268.059 288.013,266.622 288.013,265.409 288.264,265.157 ; 288,269.545 289.204,268.341 289.204,264.633 287.378,262.807 287.314,262.807 288.901,261.22 v1(289.636,261.22) ; 288,319.071 288.013,319.059 288.013,317.622 288.013,316.409 288.264,316.157 ; 288,320.545 289.204,319.341 289.204,315.633 287.378,313.807 287.314,313.807 288.901,312.22 v1(289.636,312.22) ; 288,370.071 288.013,370.059 288.013,368.622 288.013,367.409 288.264,367.157 ; 288,371.545 289.204,370.341 289.204,366.633 287.378,364.807 287.314,364.807 288.901,363.22 v1(289.636,363.22) ; 291.236,215.065 291.236,210.601 v1(292.098,209.739) ; 291.236,266.065 291.236,261.601 v1(292.098,260.739) ; 291.236,317.065 291.236,312.601 v1(292.098,311.739) ; 291.236,368.065 291.236,363.601 v1(292.098,362.739) ; 291.566,201.228 291.566,203.768 290.286,205.049 290.286,217.415 291.487,216.214 292.633,216.214 293.675,217.256 ; 291.566,252.228 291.566,254.768 290.286,256.049 290.286,268.415 291.487,267.214 292.633,267.214 293.675,268.256 ; 291.566,303.228 291.566,305.768 290.286,307.049 290.286,319.415 291.487,318.214 292.633,318.214 293.675,319.256 ; 291.566,354.228 291.566,356.768 290.286,358.049 290.286,370.415 291.487,369.214 292.633,369.214 293.675,370.256 ; 292.176,220.532 292.186,220.522 292.186,217.415 ; 292.176,271.532 292.186,271.522 292.186,268.415 ; 292.176,322.532 292.186,322.522 292.186,319.415 ; 292.176,373.532 292.186,373.522 292.186,370.415 ; 292.265,211.72 292.29,211.746 292.29,213.193 ; 292.265,262.72 292.29,262.746 292.29,264.193 ; 292.265,313.72 292.29,313.746 292.29,315.193 ; 292.265,364.72 292.29,364.746 292.29,366.193 ; 293.649,211.719 295.605,209.763 v1(299.898,209.763) ; 293.649,262.719 295.605,260.763 v1(299.898,260.763) ; 293.649,313.719 295.605,311.763 v1(299.898,311.763) ; 293.649,364.719 295.605,362.763 v1(299.898,362.763)
  Top Layer w0.3: v1(126.848,218.221) 128.499,219.872 133.325,219.872 136.804,219.872 ; v1(126.848,269.221) 128.499,270.872 133.325,270.872 136.804,270.872 ; v1(126.848,320.221) 128.499,321.872 133.325,321.872 136.804,321.872 ; v1(126.848,371.221) 128.499,372.872 133.325,372.872 136.804,372.872 ; 132.883,215.624 132.883,219.872 ; 132.883,266.624 132.883,270.872 ; 132.883,317.624 132.883,321.872 ; 132.883,368.624 132.883,372.872 ; 136.792,220.534 136.804,220.521 136.804,218.856 ; 136.792,271.534 136.804,271.521 136.804,269.856 ; 136.792,322.534 136.804,322.521 136.804,320.856 ; 136.792,373.534 136.804,373.521 136.804,371.856 ; v1(165.348,218.221) 166.999,219.872 171.825,219.872 175.304,219.872 ; v1(165.348,269.221) 166.999,270.872 171.825,270.872 175.304,270.872 ; v1(165.348,320.221) 166.999,321.872 171.825,321.872 175.304,321.872 ; v1(165.348,371.221) 166.999,372.872 171.825,372.872 175.304,372.872 ; 171.383,215.624 171.383,219.872 ; 171.383,266.624 171.383,270.872 ; 171.383,317.624 171.383,321.872 ; 171.383,368.624 171.383,372.872 ; 175.292,220.534 175.304,220.521 175.304,218.856 ; 175.292,271.534 175.304,271.521 175.304,269.856 ; 175.292,322.534 175.304,322.521 175.304,320.856 ; 175.292,373.534 175.304,373.521 175.304,371.856 ; v1(203.848,218.221) 205.499,219.872 210.325,219.872 213.804,219.872 ; v1(203.848,269.221) 205.499,270.872 210.325,270.872 213.804,270.872 ; v1(203.848,320.221) 205.499,321.872 210.325,321.872 213.804,321.872 ; v1(203.848,371.221) 205.499,372.872 210.325,372.872 213.804,372.872 ; 209.883,215.624 209.883,219.872 ; 209.883,266.624 209.883,270.872 ; 209.883,317.624 209.883,321.872 ; 209.883,368.624 209.883,372.872 ; 213.792,220.534 213.804,220.521 213.804,218.856 ; 213.792,271.534 213.804,271.521 213.804,269.856 ; 213.792,322.534 213.804,322.521 213.804,320.856 ; 213.792,373.534 213.804,373.521 213.804,371.856 ; v1(242.348,218.221) 243.999,219.872 248.825,219.872 252.304,219.872 ; v1(242.348,269.221) 243.999,270.872 248.825,270.872 252.304,270.872 ; v1(242.348,320.221) 243.999,321.872 248.825,321.872 252.304,321.872 ; v1(242.348,371.221) 243.999,372.872 248.825,372.872 252.304,372.872 ; 248.383,215.624 248.383,219.872 ; 248.383,266.624 248.383,270.872 ; 248.383,317.624 248.383,321.872 ; 248.383,368.624 248.383,372.872 ; 252.292,220.534 252.304,220.521 252.304,218.856 ; 252.292,271.534 252.304,271.521 252.304,269.856 ; 252.292,322.534 252.304,322.521 252.304,320.856 ; 252.292,373.534 252.304,373.521 252.304,371.856 ; v1(280.848,218.221) 282.499,219.872 287.325,219.872 290.804,219.872 ; v1(280.848,269.221) 282.499,270.872 287.325,270.872 290.804,270.872 ; v1(280.848,320.221) 282.499,321.872 287.325,321.872 290.804,321.872 ; v1(280.848,371.221) 282.499,372.872 287.325,372.872 290.804,372.872 ; 286.883,215.624 286.883,219.872 ; 286.883,266.624 286.883,270.872 ; 286.883,317.624 286.883,321.872 ; 286.883,368.624 286.883,372.872 ; 290.792,220.534 290.804,220.521 290.804,218.856 ; 290.792,271.534 290.804,271.521 290.804,269.856 ; 290.792,322.534 290.804,322.521 290.804,320.856 ; 290.792,373.534 290.804,373.521 290.804,371.856
  Top Layer w0.5: 153.162,242.834 153.365,242.63 153.365,236.636 153.441,236.712 154.965,236.712 ; 153.162,293.834 153.365,293.63 153.365,287.636 153.441,287.712 154.965,287.712 ; 153.162,344.834 153.365,344.63 153.365,338.636 153.441,338.712 154.965,338.712 ; 153.162,395.834 153.365,395.63 153.365,389.636 153.441,389.712 154.965,389.712 ; v3@153.364,233.92 153.364,235.252 154.902,235.252 154.965,235.188 ; v3@153.364,284.92 153.364,286.252 154.902,286.252 154.965,286.188 ; v3@153.364,335.92 153.364,337.252 154.902,337.252 154.965,337.188 ; v3@153.364,386.92 153.364,388.252 154.902,388.252 154.965,388.188 ; 191.662,242.834 191.865,242.63 191.865,236.636 191.941,236.712 193.465,236.712 ; 191.662,293.834 191.865,293.63 191.865,287.636 191.941,287.712 193.465,287.712 ; 191.662,344.834 191.865,344.63 191.865,338.636 191.941,338.712 193.465,338.712 ; 191.662,395.834 191.865,395.63 191.865,389.636 191.941,389.712 193.465,389.712 ; v3@191.864,233.92 191.864,235.252 193.402,235.252 193.465,235.188 ; v3@191.864,284.92 191.864,286.252 193.402,286.252 193.465,286.188 ; v3@191.864,335.92 191.864,337.252 193.402,337.252 193.465,337.188 ; v3@191.864,386.92 191.864,388.252 193.402,388.252 193.465,388.188 ; 230.162,242.834 230.365,242.63 230.365,236.636 230.441,236.712 231.965,236.712 ; 230.162,293.834 230.365,293.63 230.365,287.636 230.441,287.712 231.965,287.712 ; 230.162,344.834 230.365,344.63 230.365,338.636 230.441,338.712 231.965,338.712 ; 230.162,395.834 230.365,395.63 230.365,389.636 230.441,389.712 231.965,389.712 ; v3@230.364,233.92 230.364,235.252 231.902,235.252 231.965,235.188 ; v3@230.364,284.92 230.364,286.252 231.902,286.252 231.965,286.188 ; v3@230.364,335.92 230.364,337.252 231.902,337.252 231.965,337.188 ; v3@230.364,386.92 230.364,388.252 231.902,388.252 231.965,388.188 ; 268.662,242.834 268.865,242.63 268.865,236.636 268.941,236.712 270.465,236.712 ; 268.662,293.834 268.865,293.63 268.865,287.636 268.941,287.712 270.465,287.712 ; 268.662,344.834 268.865,344.63 268.865,338.636 268.941,338.712 270.465,338.712 ; 268.662,395.834 268.865,395.63 268.865,389.636 268.941,389.712 270.465,389.712 ; v3@268.864,233.92 268.864,235.252 270.402,235.252 270.465,235.188 ; v3@268.864,284.92 268.864,286.252 270.402,286.252 270.465,286.188 ; v3@268.864,335.92 268.864,337.252 270.402,337.252 270.465,337.188 ; v3@268.864,386.92 268.864,388.252 270.402,388.252 270.465,388.188 ; 307.162,242.834 307.365,242.63 307.365,236.636 307.441,236.712 308.965,236.712 ; 307.162,293.834 307.365,293.63 307.365,287.636 307.441,287.712 308.965,287.712 ; 307.162,344.834 307.365,344.63 307.365,338.636 307.441,338.712 308.965,338.712 ; 307.162,395.834 307.365,395.63 307.365,389.636 307.441,389.712 308.965,389.712 ; v3@307.364,233.92 307.364,235.252 308.902,235.252 308.965,235.188 ; v3@307.364,284.92 307.364,286.252 308.902,286.252 308.965,286.188 ; v3@307.364,335.92 307.364,337.252 308.902,337.252 308.965,337.188 ; v3@307.364,386.92 307.364,388.252 308.902,388.252 308.965,388.188